# Altium PCB EDA-04211-V4_0_pcb.pcbdoc (part 11 of 12) (continued)
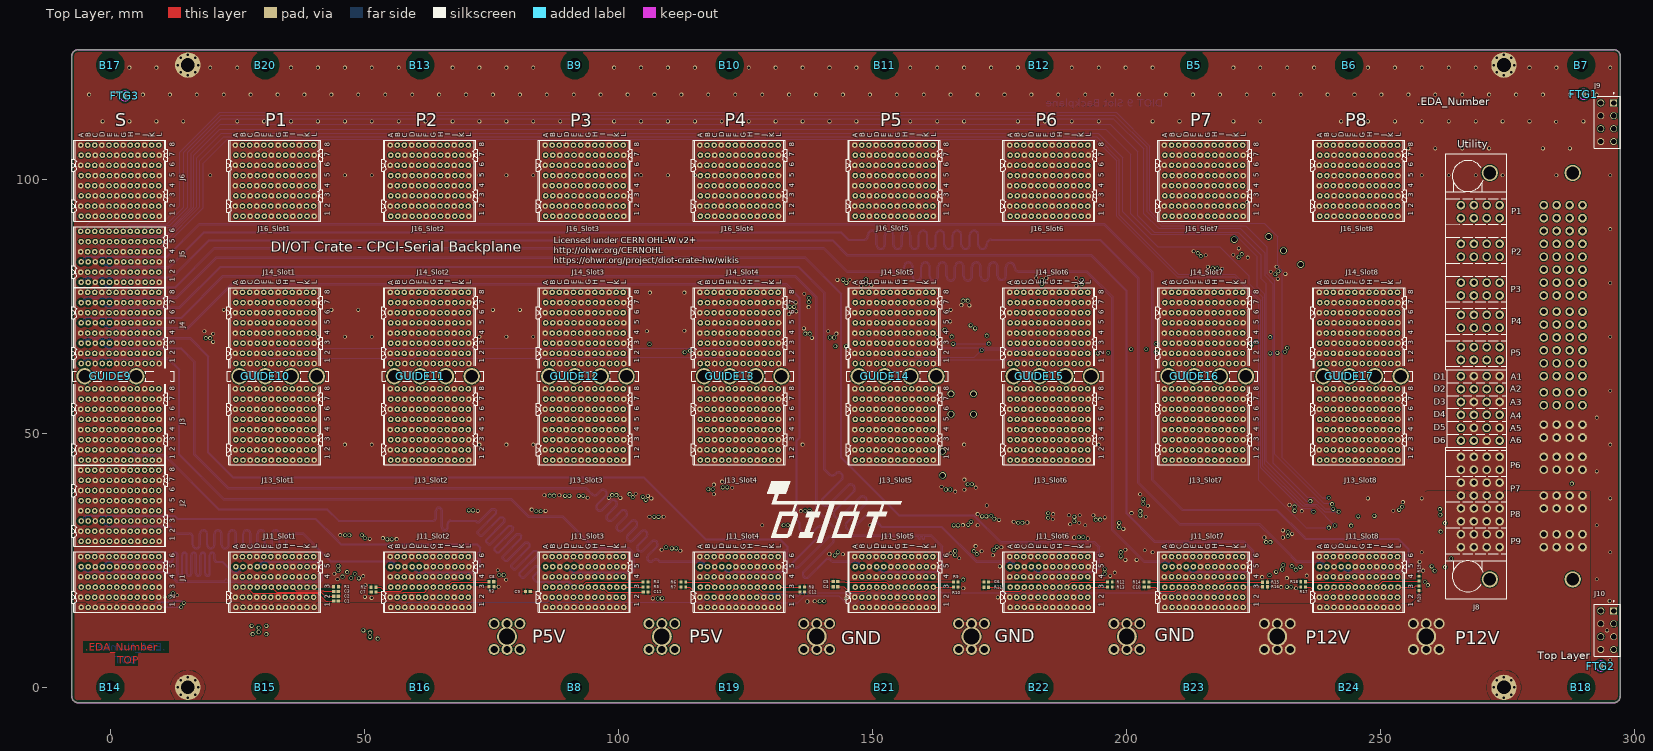
[diagram p0: Top Layer view]
## Nets (pads, with @x,y where several pads share a name; then routed paths per layer and width w, separated by ;. In a path a pad name is that pad's centre, name@x,y a point inside that pad or via, vN(x,y) a via of type N, cw(c..) or ccw(c..) an arc to the next point about the centre after c; other vN are vias at no path point) (continued)
"IO87_Peripheral Slot 4": J13_Slot4.L6 J23_Slot4.L6
"IO87_Peripheral Slot 5": J13_Slot5.L6 J23_Slot5.L6
"IO87_Peripheral Slot 6": J13_Slot6.L6 J23_Slot6.L6
"IO87_Peripheral Slot 7": J13_Slot7.L6 J23_Slot7.L6
"IO87_Peripheral Slot 8": J13_Slot8.L6 J23_Slot8.L6
"IO88_Peripheral Slot 1": J13_Slot1.A7 J23_Slot1.A7
"IO88_Peripheral Slot 2": J13_Slot2.A7 J23_Slot2.A7
"IO88_Peripheral Slot 3": J13_Slot3.A7 J23_Slot3.A7
"IO88_Peripheral Slot 4": J13_Slot4.A7 J23_Slot4.A7
"IO88_Peripheral Slot 5": J13_Slot5.A7 J23_Slot5.A7
"IO88_Peripheral Slot 6": J13_Slot6.A7 J23_Slot6.A7
"IO88_Peripheral Slot 7": J13_Slot7.A7 J23_Slot7.A7
"IO88_Peripheral Slot 8": J13_Slot8.A7 J23_Slot8.A7
"IO89_Peripheral Slot 1": J13_Slot1.B7 J23_Slot1.B7
"IO89_Peripheral Slot 2": J13_Slot2.B7 J23_Slot2.B7
"IO89_Peripheral Slot 3": J13_Slot3.B7 J23_Slot3.B7
"IO89_Peripheral Slot 4": J13_Slot4.B7 J23_Slot4.B7
"IO89_Peripheral Slot 5": J13_Slot5.B7 J23_Slot5.B7
"IO89_Peripheral Slot 6": J13_Slot6.B7 J23_Slot6.B7
"IO89_Peripheral Slot 7": J13_Slot7.B7 J23_Slot7.B7
"IO89_Peripheral Slot 8": J13_Slot8.B7 J23_Slot8.B7
"IO90_Peripheral Slot 1": J13_Slot1.D7 J23_Slot1.D7
"IO90_Peripheral Slot 2": J13_Slot2.D7 J23_Slot2.D7
"IO90_Peripheral Slot 3": J13_Slot3.D7 J23_Slot3.D7
"IO90_Peripheral Slot 4": J13_Slot4.D7 J23_Slot4.D7
"IO90_Peripheral Slot 5": J13_Slot5.D7 J23_Slot5.D7
"IO90_Peripheral Slot 6": J13_Slot6.D7 J23_Slot6.D7
"IO90_Peripheral Slot 7": J13_Slot7.D7 J23_Slot7.D7
"IO90_Peripheral Slot 8": J13_Slot8.D7 J23_Slot8.D7
"IO91_Peripheral Slot 1": J13_Slot1.E7 J23_Slot1.E7
"IO91_Peripheral Slot 2": J13_Slot2.E7 J23_Slot2.E7
"IO91_Peripheral Slot 3": J13_Slot3.E7 J23_Slot3.E7
"IO91_Peripheral Slot 4": J13_Slot4.E7 J23_Slot4.E7
"IO91_Peripheral Slot 5": J13_Slot5.E7 J23_Slot5.E7
"IO91_Peripheral Slot 6": J13_Slot6.E7 J23_Slot6.E7
"IO91_Peripheral Slot 7": J13_Slot7.E7 J23_Slot7.E7
"IO91_Peripheral Slot 8": J13_Slot8.E7 J23_Slot8.E7
"IO92_Peripheral Slot 1": J13_Slot1.G7 J23_Slot1.G7
"IO92_Peripheral Slot 2": J13_Slot2.G7 J23_Slot2.G7
"IO92_Peripheral Slot 3": J13_Slot3.G7 J23_Slot3.G7
"IO92_Peripheral Slot 4": J13_Slot4.G7 J23_Slot4.G7
"IO92_Peripheral Slot 5": J13_Slot5.G7 J23_Slot5.G7
"IO92_Peripheral Slot 6": J13_Slot6.G7 J23_Slot6.G7
"IO92_Peripheral Slot 7": J13_Slot7.G7 J23_Slot7.G7
"IO92_Peripheral Slot 8": J13_Slot8.G7 J23_Slot8.G7
"IO93_Peripheral Slot 1": J13_Slot1.H7 J23_Slot1.H7
"IO93_Peripheral Slot 2": J13_Slot2.H7 J23_Slot2.H7
"IO93_Peripheral Slot 3": J13_Slot3.H7 J23_Slot3.H7
"IO93_Peripheral Slot 4": J13_Slot4.H7 J23_Slot4.H7
"IO93_Peripheral Slot 5": J13_Slot5.H7 J23_Slot5.H7
"IO93_Peripheral Slot 6": J13_Slot6.H7 J23_Slot6.H7
"IO93_Peripheral Slot 7": J13_Slot7.H7 J23_Slot7.H7
"IO93_Peripheral Slot 8": J13_Slot8.H7 J23_Slot8.H7
"IO94_Peripheral Slot 1": J13_Slot1.J7 J23_Slot1.J7
"IO94_Peripheral Slot 2": J13_Slot2.J7 J23_Slot2.J7
"IO94_Peripheral Slot 3": J13_Slot3.J7 J23_Slot3.J7
"IO94_Peripheral Slot 4": J13_Slot4.J7 J23_Slot4.J7
"IO94_Peripheral Slot 5": J13_Slot5.J7 J23_Slot5.J7
"IO94_Peripheral Slot 6": J13_Slot6.J7 J23_Slot6.J7
"IO94_Peripheral Slot 7": J13_Slot7.J7 J23_Slot7.J7
"IO94_Peripheral Slot 8": J13_Slot8.J7 J23_Slot8.J7
"IO95_Peripheral Slot 1": J13_Slot1.K7 J23_Slot1.K7
"IO95_Peripheral Slot 2": J13_Slot2.K7 J23_Slot2.K7
"IO95_Peripheral Slot 3": J13_Slot3.K7 J23_Slot3.K7
"IO95_Peripheral Slot 4": J13_Slot4.K7 J23_Slot4.K7
"IO95_Peripheral Slot 5": J13_Slot5.K7 J23_Slot5.K7
"IO95_Peripheral Slot 6": J13_Slot6.K7 J23_Slot6.K7
"IO95_Peripheral Slot 7": J13_Slot7.K7 J23_Slot7.K7
"IO95_Peripheral Slot 8": J13_Slot8.K7 J23_Slot8.K7
"IO96_Peripheral Slot 1": J13_Slot1.B8 J23_Slot1.B8
"IO96_Peripheral Slot 2": J13_Slot2.B8 J23_Slot2.B8
"IO96_Peripheral Slot 3": J13_Slot3.B8 J23_Slot3.B8
"IO96_Peripheral Slot 4": J13_Slot4.B8 J23_Slot4.B8
"IO96_Peripheral Slot 5": J13_Slot5.B8 J23_Slot5.B8
"IO96_Peripheral Slot 6": J13_Slot6.B8 J23_Slot6.B8
"IO96_Peripheral Slot 7": J13_Slot7.B8 J23_Slot7.B8
"IO96_Peripheral Slot 8": J13_Slot8.B8 J23_Slot8.B8
"IO97_Peripheral Slot 1": J13_Slot1.C8 J23_Slot1.C8
"IO97_Peripheral Slot 2": J13_Slot2.C8 J23_Slot2.C8
"IO97_Peripheral Slot 3": J13_Slot3.C8 J23_Slot3.C8
"IO97_Peripheral Slot 4": J13_Slot4.C8 J23_Slot4.C8
"IO97_Peripheral Slot 5": J13_Slot5.C8 J23_Slot5.C8
"IO97_Peripheral Slot 6": J13_Slot6.C8 J23_Slot6.C8
"IO97_Peripheral Slot 7": J13_Slot7.C8 J23_Slot7.C8
"IO97_Peripheral Slot 8": J13_Slot8.C8 J23_Slot8.C8
"IO98_Peripheral Slot 1": J13_Slot1.E8 J23_Slot1.E8
"IO98_Peripheral Slot 2": J13_Slot2.E8 J23_Slot2.E8
"IO98_Peripheral Slot 3": J13_Slot3.E8 J23_Slot3.E8
"IO98_Peripheral Slot 4": J13_Slot4.E8 J23_Slot4.E8
"IO98_Peripheral Slot 5": J13_Slot5.E8 J23_Slot5.E8
"IO98_Peripheral Slot 6": J13_Slot6.E8 J23_Slot6.E8
"IO98_Peripheral Slot 7": J13_Slot7.E8 J23_Slot7.E8
"IO98_Peripheral Slot 8": J13_Slot8.E8 J23_Slot8.E8
"IO99_Peripheral Slot 1": J13_Slot1.F8 J23_Slot1.F8
"IO99_Peripheral Slot 2": J13_Slot2.F8 J23_Slot2.F8
"IO99_Peripheral Slot 3": J13_Slot3.F8 J23_Slot3.F8
"IO99_Peripheral Slot 4": J13_Slot4.F8 J23_Slot4.F8
"IO99_Peripheral Slot 5": J13_Slot5.F8 J23_Slot5.F8
"IO99_Peripheral Slot 6": J13_Slot6.F8 J23_Slot6.F8
"IO99_Peripheral Slot 7": J13_Slot7.F8 J23_Slot7.F8
"IO99_Peripheral Slot 8": J13_Slot8.F8 J23_Slot8.F8
"IO100_Peripheral Slot 1": J13_Slot1.H8 J23_Slot1.H8
"IO100_Peripheral Slot 2": J13_Slot2.H8 J23_Slot2.H8
"IO100_Peripheral Slot 3": J13_Slot3.H8 J23_Slot3.H8
"IO100_Peripheral Slot 4": J13_Slot4.H8 J23_Slot4.H8
"IO100_Peripheral Slot 5": J13_Slot5.H8 J23_Slot5.H8
"IO100_Peripheral Slot 6": J13_Slot6.H8 J23_Slot6.H8
"IO100_Peripheral Slot 7": J13_Slot7.H8 J23_Slot7.H8
"IO100_Peripheral Slot 8": J13_Slot8.H8 J23_Slot8.H8
"IO101_Peripheral Slot 1": J13_Slot1.I8 J23_Slot1.I8
"IO101_Peripheral Slot 2": J13_Slot2.I8 J23_Slot2.I8
"IO101_Peripheral Slot 3": J13_Slot3.I8 J23_Slot3.I8
"IO101_Peripheral Slot 4": J13_Slot4.I8 J23_Slot4.I8
"IO101_Peripheral Slot 5": J13_Slot5.I8 J23_Slot5.I8
"IO101_Peripheral Slot 6": J13_Slot6.I8 J23_Slot6.I8
"IO101_Peripheral Slot 7": J13_Slot7.I8 J23_Slot7.I8
"IO101_Peripheral Slot 8": J13_Slot8.I8 J23_Slot8.I8
"IO102_Peripheral Slot 1": J13_Slot1.K8 J23_Slot1.K8
"IO102_Peripheral Slot 2": J13_Slot2.K8 J23_Slot2.K8
"IO102_Peripheral Slot 3": J13_Slot3.K8 J23_Slot3.K8
"IO102_Peripheral Slot 4": J13_Slot4.K8 J23_Slot4.K8
"IO102_Peripheral Slot 5": J13_Slot5.K8 J23_Slot5.K8
"IO102_Peripheral Slot 6": J13_Slot6.K8 J23_Slot6.K8
"IO102_Peripheral Slot 7": J13_Slot7.K8 J23_Slot7.K8
"IO102_Peripheral Slot 8": J13_Slot8.K8 J23_Slot8.K8
"IO103_Peripheral Slot 1": J13_Slot1.L8 J23_Slot1.L8
"IO103_Peripheral Slot 2": J13_Slot2.L8 J23_Slot2.L8
"IO103_Peripheral Slot 3": J13_Slot3.L8 J23_Slot3.L8
"IO103_Peripheral Slot 4": J13_Slot4.L8 J23_Slot4.L8
"IO103_Peripheral Slot 5": J13_Slot5.L8 J23_Slot5.L8
"IO103_Peripheral Slot 6": J13_Slot6.L8 J23_Slot6.L8
"IO103_Peripheral Slot 7": J13_Slot7.L8 J23_Slot7.L8
"IO103_Peripheral Slot 8": J13_Slot8.L8 J23_Slot8.L8
M_SCL: J2.A7 J7.C1 J8.C2 J9.2 | length 455.1
  L8 w0.15: J8.C2@268.39,58.72 269.67,60 283.44,60 J7.C1@284.7,61.26 286.26,59.7 290.7,59.7 291.6,60.6 291.6,113.278 J9.2@293.382,115.06
  L12 w0.102: J2.A7@-5.78,40.75 -4.584,41.946 10.256,41.946 15.057,37.145 15.057,32.192 17.241,30.008 42.667,30.008 48.585,24.09 48.585,22.998 48.915,22.667 v1(48.915,21.448) ; v1(258.744,20.788) 263.528,20.788 267.089,24.349 275.452,24.349 277.479,26.376 277.479,55.724 275.813,57.389 269.567,57.389 J8.C2@268.236,58.72
  L6 w0.102: v1(48.915,21.448) 48.915,10.145 50.033,9.028 65.857,9.028 73.307,16.478 82.931,16.478 87.181,12.228 99.512,12.228 103.457,16.173 113.97,16.173 117.483,12.66 130.347,12.66 133.784,16.097 144.729,16.097 148.039,12.787 161.64,12.787 166.322,17.468 173.66,17.468 177.503,13.625 192.247,13.625 195.227,16.605 205.029,16.605 208.085,13.549 222.549,13.549 226.215,17.214 234.188,17.214 238.641,12.761 252.013,12.761 258.744,19.492 v1(258.744,20.788)
M_SDA: J2.B7 J7.B1 J8.B1 J9.1 | length 451.8
  L12 w0.102: J2.B7@-4.38,40.75 -3.438,41.692 10.104,41.692 14.676,37.12 14.676,31.964 17.089,29.551 42.566,29.551 48.102,24.015 v1(48.102,22.363) ; v1(259.354,20.127) 264.193,20.127 267.825,23.76 276.011,23.76 278.201,25.95 278.201,56.932 275.229,59.904 272.132,59.904 J8.B1@270.776,61.26 ; J8.B1@270.93,61.26 272.17,62.5 276.5,62.5 279.4,59.6 285.58,59.6 J7.B1@287.24,61.26 288.58,62.6 291.3,62.6 293.4,64.7 293.4,104.1 294.6,105.3 294.6,113.738 J9.1@295.922,115.06
  L6 w0.102: v1(48.102,22.363) 48.102,10.12 49.596,8.626 66.023,8.626 73.473,16.076 82.765,16.076 87.014,11.826 99.678,11.826 103.623,15.771 113.804,15.771 117.317,12.258 130.514,12.258 133.951,15.695 144.563,15.695 147.873,12.385 161.807,12.385 166.488,17.066 173.494,17.066 177.337,13.223 192.414,13.223 195.393,16.203 204.863,16.203 207.918,13.147 222.716,13.147 226.381,16.812 234.022,16.812 238.475,12.359 252.18,12.359 259.354,19.533 v1(259.354,20.127)
P5V: BUSH5.1 BUSH6.1 J1.B1 J7.P5 J8.P5 J10.1 J11_Slot1.B1 J11_Slot2.B1 J11_Slot3.B1 J11_Slot4.B1 J11_Slot5.B1 J11_Slot6.B1 J11_Slot7.B1 J11_Slot8.B1
P12V: BUSH1.1 BUSH3.1 J1.A1 J1.D1 J1.E1 J1.G1 J1.H1 J1.J1 J1.K1 J7.P1 J7.P2 J8.P8 J8.P9 J9.3 J9.7 J10.3 J10.6 J10.7 J11_Slot1.A1 J11_Slot1.D1 J11_Slot1.E1 J11_Slot1.G1 J11_Slot1.H1 J11_Slot1.J1 J11_Slot1.K1 J11_Slot2.A1 J11_Slot2.D1 J11_Slot2.E1 J11_Slot2.G1 J11_Slot2.H1 J11_Slot2.J1 J11_Slot2.K1 J11_Slot3.A1 J11_Slot3.D1 J11_Slot3.E1 J11_Slot3.G1 J11_Slot3.H1 J11_Slot3.J1 J11_Slot3.K1 J11_Slot4.A1 J11_Slot4.D1 J11_Slot4.E1 J11_Slot4.G1 J11_Slot4.H1 J11_Slot4.J1 J11_Slot4.K1 J11_Slot5.A1 J11_Slot5.D1 J11_Slot5.E1 J11_Slot5.G1 J11_Slot5.H1 J11_Slot5.J1 J11_Slot5.K1 J11_Slot6.A1 J11_Slot6.D1 J11_Slot6.E1 J11_Slot6.G1 J11_Slot6.H1 J11_Slot6.J1 J11_Slot6.K1 J11_Slot7.A1 J11_Slot7.D1 J11_Slot7.E1 J11_Slot7.G1 J11_Slot7.H1 J11_Slot7.J1 J11_Slot7.K1 J11_Slot8.A1 J11_Slot8.D1 J11_Slot8.E1 J11_Slot8.G1 J11_Slot8.H1 J11_Slot8.J1 J11_Slot8.K1 NT1.2 | length 4.6
  Bottom Layer w0.3: J1.K1@8.22,15.75 8.22,15.805 9.189,16.775 11.323,16.775 11.552,17.003 12.249,17.003
P12V_Sense: J8.D2 NT1.1 | length 348.7
  L10 w0.3: v1(14.447,16.622) 16.969,14.1 50.62,14.1 56.37,8.35 64.17,8.35 69.77,2.75 83.52,2.75 88.369,7.599 97.871,7.599 103.22,2.25 113.77,2.25 118.369,6.849 128.371,6.849 132.37,2.85 144.12,2.85 148.869,7.599 159.871,7.599 164.97,2.5 175.27,2.5 180.369,7.599 188.77,7.599 193.27,3.099 206.119,3.099 210.619,7.599 218.871,7.599 223.72,2.75 236.27,2.75 241.619,8.099 249.371,8.099 252.459,5.011 261.863,5.011 275.82,18.967 275.82,58.702 274.526,59.995 267.125,59.995 J8.D2@265.85,58.72
  Bottom Layer w0.3: 12.764,17 14.069,17 v1(14.447,16.622)
P_IO0: J2.C8 J8.C4 | length 292.7
  L2 w0.102: v1(245.62,33.65) 246.12,33.15 257.22,33.15 264.52,40.45 264.52,51.75 265.02,52.25 267,52.25 J8.C4@268.39,53.64
  L6 w0.102: J2.C8@-3.08,42.75 -2.173,43.657 16.863,43.657 20.52,40 113.92,40 117.51,36.41 145.26,36.41 146.766,34.904 174.196,34.904 174.95,34.15 182.92,34.15 183.802,35.032 198.538,35.032 200.735,32.835 201.046,32.835 201.086,32.796 214.157,32.796 214.197,32.835 219.68,32.835 220.395,33.55 245.52,33.55 v1(245.62,33.65)
P_IO1: J2.D7 J8.C6 | length 346.9
  L10 w0.102: v1(261.843,30.668) 261.843,32.823 263.637,34.617 263.637,48.11 265.297,49.77 267.18,49.77 J8.C6@268.39,48.56
  L12 w0.102: J2.D7@-1.58,40.75 -1.22,40.75 -0.013,39.543 10.043,39.543 13.152,36.434 13.152,31.253 16.403,28.001 41.744,28.001 45.689,24.056 v1(45.689,21.804)
  L6 w0.102: v1(45.689,21.804) 45.689,9.993 48.262,7.42 66.523,7.42 73.973,14.87 82.265,14.87 86.515,10.62 100.178,10.62 104.123,14.565 113.304,14.565 116.817,11.052 131.013,11.052 134.45,14.489 144.063,14.489 147.373,11.179 162.306,11.179 166.988,15.86 172.994,15.86 176.837,12.017 192.913,12.017 195.893,14.997 204.363,14.997 207.419,11.941 223.215,11.941 226.881,15.606 233.522,15.606 237.975,11.153 252.679,11.153 261.843,20.317 v1(261.843,30.668)
P_IO2: J2.E7 J8.B4 | length 352.3
  L10 w0.102: v1(260.675,22.947) 261.02,23.292 261.02,50.967 264.908,54.855 269.715,54.855 J8.B4@270.93,53.64
  L12 w0.102: J2.E7@-0.18,40.75 0.76,39.81 10.284,39.81 13.558,36.536 13.558,31.557 16.53,28.586 41.909,28.586 46.578,23.917 v1(46.578,22.693)
  L6 w0.102: v1(46.578,22.693) 46.578,10.247 49.003,7.822 66.356,7.822 73.806,15.272 82.432,15.272 86.681,11.022 100.011,11.022 103.956,14.967 113.471,14.967 116.984,11.454 130.847,11.454 134.284,14.891 144.23,14.891 147.54,11.581 162.14,11.581 166.821,16.262 173.161,16.262 177.004,12.419 192.747,12.419 195.726,15.399 204.53,15.399 207.585,12.343 223.049,12.343 226.714,16.008 233.689,16.008 238.142,11.555 252.513,11.555 260.675,19.717 v1(260.675,22.947)
P_PRES1: J2.G7 J8.D5 | length 285.7
  L10 w0.102: v1(261.818,33.97) 262.895,35.048 262.895,48.145 J8.D5@265.85,51.1
  L6 w0.102: J2.G7@2.62,40.75 3.766,41.896 15.749,41.896 18.245,39.4 112.283,39.4 113.908,37.775 113.983,37.701 114.057,37.626 115.831,35.852 144.318,35.852 146.67,33.5 170.558,33.5 171.708,32.35 176.65,32.35 177.45,33.15 182.85,33.15 183.8,32.2 186.1,32.2 188.3,34.4 197.77,34.4 200.02,32.15 221.035,32.15 221.635,32.75 260.597,32.75 v1(261.818,33.97)
P_PRES2: J2.H7 J8.D6 | length 283.9
  L10 w0.102: v1(262.732,32.345) 264.167,33.779 264.167,46.877 J8.D6@265.85,48.56
  L6 w0.102: J2.H7@4.02,40.75 4.927,41.657 15.088,41.657 17.645,39.1 110.37,39.1 113.92,35.55 143.52,35.55 146.42,32.65 168.12,32.65 168.67,33.2 170.475,33.2 171.925,31.75 188.15,31.75 188.337,31.563 190.763,31.563 191.85,32.65 193.17,32.65 193.77,32.05 196.32,32.05 197.82,30.55 215.32,30.55 216.37,31.6 232.27,31.6 232.942,30.928 241.498,30.928 242.948,32.378 253.246,32.378 253.279,32.345 v1(262.732,32.345)
P_RST: J2.B8 J8.B5 | length 298.7
  L10 w0.102: v1(261.716,35.088) 262.32,35.692 262.32,49.724 264.961,52.366 269.664,52.366 J8.B5@270.93,51.1
  L6 w0.102: J2.B8@-4.48,42.75 -3.369,43.861 19.365,43.861 22.926,40.3 114.645,40.3 118.289,36.656 145.72,36.656 147.247,35.129 174.671,35.129 175.25,34.55 182.72,34.55 183.494,35.324 198.846,35.324 201.17,33 214.073,33 215.125,34.052 241.533,34.052 241.537,34.048 242.518,34.048 243.22,34.75 251.42,34.75 252.52,33.65 260.278,33.65 v1(261.716,35.088)
PRST_N: J1.H2 J8.A6 | length 325.2
  L10 w0.102: v1(262.732,23.683) 262.732,30.751 264.538,32.557 264.538,46.009 265.649,47.12 272.03,47.12 J8.A6@273.47,48.56
  L12 w0.102: J1.H2@3.92,17.75 4.646,17.024 11.023,17.024 14.12,13.927 60.726,13.927 72.89,1.763 84.551,1.763 88.539,5.751 99.881,5.751 102.855,2.776 116.375,2.776 119.146,5.548 125.979,5.548 128.849,2.678 145.359,2.678 148.432,5.751 155.646,5.751 158.77,2.627 176.55,2.627 179.7,5.776 192.067,5.776 195.584,2.259 202.687,2.259 207.598,7.171 218.079,7.171 222.702,2.548 234.487,2.548 245.663,13.724 252.773,13.724 255.696,16.648 255.696,20.28 257.683,22.267 257.683,23.245 259.011,24.572 261.843,24.572 v1(262.732,23.683)
PS_ON_N: J1.E2 J8.D3 | length 351.8
  L12 w0.102: J1.E2@-0.28,17.75 0.698,16.772 10.615,16.772 13.844,13.542 60.603,13.542 72.864,1.281 84.805,1.281 88.869,5.345 99.601,5.345 102.534,2.412 116.67,2.412 119.476,5.218 125.598,5.218 128.722,2.093 145.41,2.093 148.712,5.395 155.417,5.395 158.668,2.144 176.702,2.144 179.954,5.395 191.914,5.395 195.558,1.751 203.169,1.751 208.081,6.663 218.003,6.663 222.499,2.167 234.64,2.167 245.841,13.368 253.484,13.368 256.154,16.038 256.154,19.975 258.516,22.337 262.453,22.337 263.941,23.826 v1(263.941,25.364)
  L6 w0.102: v1(263.941,25.364) 273.634,25.364 276.52,28.25 276.52,55.75 274.858,57.412 267.082,57.412 J8.D3@265.85,56.18
PWRBTN_N: J1.C3 J8.A4 | length 355.6
  L12 w0.102: J1.C3@-2.98,19.75 -3.825,18.905 -6.33,18.905 -6.863,18.372 -6.863,14.994 -4.591,12.722 60.22,12.722 72.601,0.341 85.339,0.341 89.479,4.481 98.941,4.481 101.899,1.523 116.924,1.523 119.933,4.532 124.988,4.532 128.315,1.204 145.943,1.204 149.22,4.481 154.935,4.481 158.389,1.027 177.083,1.027 180.639,4.583 191.626,4.583 195.223,0.986 203.928,0.986 208.614,5.672 217.901,5.672 222.143,1.43 234.995,1.43 246.324,12.759 254.22,12.759 257.119,15.657 257.119,20.127 258.414,21.423 263.241,21.423 266.811,24.993 275.34,24.993 276.724,26.377 276.724,53.047 276.124,53.647 273.477,53.647 J8.A4@273.47,53.64
PWRFAIL_N: J1.F3 J8.D4 | length 363
  L12 w0.102: J1.F3@1.22,19.75 0.071,18.601 -6.305,18.601 -6.659,18.246 -6.659,17.152 -6.025,16.518 10.31,16.518 13.711,13.116 60.419,13.116 72.737,0.798 85.034,0.798 89.225,4.989 99.246,4.989 102.255,1.98 116.848,1.98 119.756,4.887 125.267,4.887 128.544,1.611 145.638,1.611 148.966,4.938 155.239,4.938 158.567,1.611 176.829,1.611 180.182,4.964 191.803,4.964 195.4,1.367 203.623,1.367 208.385,6.129 217.977,6.129 222.346,1.76 234.818,1.76 246.095,13.038 253.662,13.038 256.712,16.089 256.712,20.102 258.414,21.804 262.726,21.804 266.571,25.649 275.163,25.649 275.858,26.344 275.858,51.985 275.458,52.385 266.776,52.385 266.716,52.445 266.716,52.456 265.696,53.476 J8.D4@265.696,53.64
RST#: J1.F2 J11_Slot1.H2 J11_Slot2.H2 J11_Slot3.H2 J11_Slot4.H2 J11_Slot5.H2 J11_Slot6.H2 J11_Slot7.H2 J11_Slot8.H2 | length 258.4
  L2 w0.102: J11_Slot2.H2@64.88,17.75 65.731,18.601 68.821,18.601 69.095,18.875 84.196,18.875 84.396,18.675 94.435,18.675 J11_Slot3.H2@95.36,17.75
  L4 w0.102: J11_Slot3.H2@95.36,17.75 96.119,18.509 101.686,18.509 103.271,16.924 125.014,16.924 J11_Slot4.H2@125.84,17.75 ; J11_Slot5.H2@156.32,17.75 157.298,16.772 185.822,16.772 J11_Slot6.H2@186.8,17.75 187.778,16.772 216.302,16.772 J11_Slot7.H2@217.28,17.75 218.18,16.85 246.86,16.85 J11_Slot8.H2@247.76,17.75
  L10 w0.102: J11_Slot4.H2@125.84,17.75 126.844,16.746 132.377,16.746 135.3,19.67 143.43,19.67 146.4,16.7 155.27,16.7 J11_Slot5.H2@156.32,17.75
  L12 w0.102: J1.F2@1.12,17.75 2.25,18.88 10.37,18.88 11.132,19.643 15.127,19.643 17.795,16.975 33.625,16.975 J11_Slot1.H2@34.4,17.75 35.53,18.88 40.914,18.88 42.895,16.899 64.029,16.899 J11_Slot2.H2@64.88,17.75
RTM_SHARED_BUS0: J7.A1 J14_Slot1.B2 J14_Slot2.B2 J14_Slot3.B2 J14_Slot4.B2 J14_Slot5.B2 J14_Slot6.B2 J14_Slot7.B2 J14_Slot8.B2 J24_Slot1.B2 J24_Slot2.B2 J24_Slot3.B2 J24_Slot4.B2 J24_Slot5.B2 J24_Slot6.B2 J24_Slot7.B2 J24_Slot8.B2 | length 459.1
  L2 w0.15: J14_Slot1.B2@26,65.75 26.9,66.65 55.58,66.65 J14_Slot2.B2@56.48,65.75 57.207,66.477 86.233,66.477 J14_Slot3.B2@86.96,65.75 88.012,66.802 101.62,66.802 102.958,68.14 113.93,68.14 115.268,66.802 116.388,66.802 J14_Slot4.B2@117.44,65.75 118.167,66.477 131.741,66.477 131.82,66.398 143.049,66.398 143.128,66.477 147.193,66.477 J14_Slot5.B2@147.92,65.75 149.147,66.977 162.863,66.977 164.22,68.334 v1(164.22,70.35)
  L4 w0.15: v1(194.388,65.733) 194.923,65.198 206.149,65.198 206.664,65.713 206.664,65.962 207.179,66.477 208.153,66.477 J14_Slot7.B2@208.88,65.75 ; v1(224.583,67.4) 224.598,67.386 226.288,67.386 226.436,67.238 227.965,67.238 228.277,67.55 231.701,67.55 232.774,66.477 238.633,66.477 J14_Slot8.B2@239.36,65.75
  L10 w0.15: J14_Slot6.B2@178.4,65.75 179.303,66.653 193.469,66.653 v1(194.388,65.733) ; J14_Slot7.B2@208.88,65.75 210.03,66.9 224.041,66.9 224.541,67.4 v1(224.583,67.4)
  L12 w0.15: J14_Slot5.B2@147.92,65.75 149.039,64.631 177.281,64.631 J14_Slot6.B2@178.4,65.75
  L6 w0.15: v1(164.22,70.35) 164.22,72.25 164.22,105.55 169.52,110.85 173.42,114.75 284.15,114.75 293.52,105.38 293.52,65 J7.A1@289.78,61.26
RTM_SHARED_BUS1: J7.A2 J14_Slot1.C2 J14_Slot2.C2 J14_Slot3.C2 J14_Slot4.C2 J14_Slot5.C2 J14_Slot6.C2 J14_Slot7.C2 J14_Slot8.C2 J24_Slot1.C2 J24_Slot2.C2 J24_Slot3.C2 J24_Slot4.C2 J24_Slot5.C2 J24_Slot6.C2 J24_Slot7.C2 J24_Slot8.C2 | length 453.5
  L2 w0.15: J14_Slot6.C2@179.8,65.75 180.9,64.65 195.212,64.65 v1(196.433,65.871)
  L4 w0.15: v1(225.508,67.938) 229.757,67.938 230.17,68.35 234.671,68.35 236.292,66.729 239.781,66.729 J14_Slot8.C2@240.76,65.75
  L10 w0.15: J14_Slot7.C2@210.28,65.75 211.017,66.487 224.857,66.487 225.508,67.138 v1(225.508,67.938)
  L12 w0.15: J14_Slot5.C2@149.32,65.75 150.047,65.023 174.493,65.023 175.947,66.477 179.073,66.477 J14_Slot6.C2@179.8,65.75 ; v1(196.433,65.871) 199.099,65.871 199.52,65.45 206.152,65.45 207.179,66.477 209.553,66.477 J14_Slot7.C2@210.28,65.75
  L6 w0.15: J14_Slot1.C2@27.4,65.75 28.127,66.477 57.153,66.477 J14_Slot2.C2@57.88,65.75 58.607,66.477 87.633,66.477 J14_Slot3.C2@88.36,65.75 89.56,66.95 117.64,66.95 J14_Slot4.C2@118.84,65.75 120.092,67.002 134.072,67.002 135.254,68.184 145.086,68.184 146.62,66.65 148.42,66.65 J14_Slot5.C2@149.32,65.75 150.12,66.55 161.92,66.55 166.32,70.95 166.32,105.75 174.42,113.85 284.15,113.85 293.02,104.98 293.02,67.04 J7.A2@289.78,63.8
RTM_SHARED_BUS2: J7.A3 J14_Slot1.E2 J14_Slot2.E2 J14_Slot3.E2 J14_Slot4.E2 J14_Slot5.E2 J14_Slot6.E2 J14_Slot7.E2 J14_Slot8.E2 J24_Slot1.E2 J24_Slot2.E2 J24_Slot3.E2 J24_Slot4.E2 J24_Slot5.E2 J24_Slot6.E2 J24_Slot7.E2 J24_Slot8.E2 | length 430.5
  L10 w0.15: v1(144.808,67.111) 145.442,66.477 151.393,66.477 J14_Slot5.E2@152.12,65.75 ; v1(231.62,66.85) 234.32,66.85 234.693,66.477 242.833,66.477 J14_Slot8.E2@243.56,65.75
  L12 w0.15: J14_Slot5.E2@152.12,65.75 153.12,66.75 163.32,66.75 v1(165.62,69.05) 170.755,69.05 173.076,66.729 181.621,66.729 J14_Slot6.E2@182.6,65.75 182.782,65.568 183.156,65.568 183.273,65.451 183.273,65.449 183.699,65.023 212.353,65.023 J14_Slot7.E2@213.08,65.75 214.18,64.65 225.02,64.65 227.22,66.85 v1(231.62,66.85)
  L6 w0.15: J14_Slot4.E2@121.64,65.75 122.619,66.729 135.499,66.729 136.572,67.802 144.268,67.802 144.808,67.262 v1(144.808,67.111) ; v1(165.62,69.05) 166.968,70.398 166.968,89.198 167.42,89.65 167.42,104.85 175.62,113.05 284.05,113.05 292.52,104.58 292.52,69.08 J7.A3@289.78,66.34
  Bottom Layer w0.15: J14_Slot1.E2@30.2,65.75 31.2,64.75 59.68,64.75 J14_Slot2.E2@60.68,65.75 61.68,64.75 90.16,64.75 J14_Slot3.E2@91.16,65.75 91.887,65.023 120.913,65.023 J14_Slot4.E2@121.64,65.75
RTM_SHARED_BUS3: J7.A4 J14_Slot1.F2 J14_Slot2.F2 J14_Slot3.F2 J14_Slot4.F2 J14_Slot5.F2 J14_Slot6.F2 J14_Slot7.F2 J14_Slot8.F2 J24_Slot1.F2 J24_Slot2.F2 J24_Slot3.F2 J24_Slot4.F2 J24_Slot5.F2 J24_Slot6.F2 J24_Slot7.F2 J24_Slot8.F2 | length 439.2
  L2 w0.15: J14_Slot5.F2@153.52,65.75 154.426,66.656 163.624,66.656 165.265,68.298 166.368,68.298 v1(169.32,71.25) ; v1(205.92,66.05) 206.347,66.477 213.753,66.477 J14_Slot7.F2@214.48,65.75
  L10 w0.15: v1(142.72,67.15) 143.233,67.663 145.107,67.663 146.02,66.75 152.52,66.75 J14_Slot5.F2@153.52,65.75 ; v1(228.32,68.95) 233.72,68.95 235.82,66.85 243.86,66.85 J14_Slot8.F2@244.96,65.75
  L12 w0.15: J14_Slot6.F2@184,65.75 184.852,66.602 199.268,66.602 200.12,65.75 204.719,65.75 205.019,66.05 v1(205.92,66.05) ; J14_Slot7.F2@214.48,65.75 215.207,65.023 224.393,65.023 v1(228.32,68.95)
  L6 w0.15: J14_Slot4.F2@123.04,65.75 123.767,66.477 140.247,66.477 140.92,67.15 v1(142.72,67.15) ; v1(169.32,71.25) 169.7,71.63 169.7,105.43 176.52,112.25 282.35,112.25 291.92,102.68 291.92,71.02 J7.A4@289.78,68.88
  Bottom Layer w0.15: J14_Slot1.F2@31.6,65.75 32.6,66.75 61.08,66.75 J14_Slot2.F2@62.08,65.75 63.08,66.75 91.56,66.75 J14_Slot3.F2@92.56,65.75 93.612,66.802 121.988,66.802 J14_Slot4.F2@123.04,65.75 ; J14_Slot5.F2@153.52,65.75 154.751,64.519 182.769,64.519 J14_Slot6.F2@184,65.75
RTM_SHARED_BUS4: J7.D1 J14_Slot1.H2 J14_Slot2.H2 J14_Slot3.H2 J14_Slot4.H2 J14_Slot5.H2 J14_Slot6.H2 J14_Slot7.H2 J14_Slot8.H2 J24_Slot1.H2 J24_Slot2.H2 J24_Slot3.H2 J24_Slot4.H2 J24_Slot5.H2 J24_Slot6.H2 J24_Slot7.H2 J24_Slot8.H2 | length 412.2
  L4 w0.15: J14_Slot1.H2@34.4,65.75 35.127,66.477 64.153,66.477 J14_Slot2.H2@64.88,65.75 65.607,66.477 94.633,66.477 J14_Slot3.H2@95.36,65.75 96.412,66.802 124.788,66.802 J14_Slot4.H2@125.84,65.75 126.567,66.477 134.897,66.477 134.976,66.398 145.116,66.398 145.195,66.477 155.593,66.477 J14_Slot5.H2@156.32,65.75 157.32,66.75 169.72,66.75 171.893,68.923 172.03,68.923 172.358,69.25 v1(172.52,69.25) 172.546,69.276 174.494,69.276 177.02,66.75 185.8,66.75 J14_Slot6.H2@186.8,65.75 188.073,67.023 193.393,67.023 194.72,68.35 206.001,68.35 206.661,67.69 206.661,67.641 207.321,66.981 216.049,66.981 J14_Slot7.H2@217.28,65.75 218.553,67.023 223.353,67.023 226.332,70.002 234.168,70.002 237.171,66.999 246.511,66.999 J14_Slot8.H2@247.76,65.75
  L6 w0.15: v1(172.52,69.25) 172.62,69.35 172.62,103.95 176.72,108.05 229.42,108.05 273.113,108.05 279.02,102.143 279.02,64.4 J7.D1@282.16,61.26
RTM_SHARED_BUS5: J7.D2 J14_Slot1.I2 J14_Slot2.I2 J14_Slot3.I2 J14_Slot4.I2 J14_Slot5.I2 J14_Slot6.I2 J14_Slot7.I2 J14_Slot8.I2 J24_Slot1.I2 J24_Slot2.I2 J24_Slot3.I2 J24_Slot4.I2 J24_Slot5.I2 J24_Slot6.I2 J24_Slot7.I2 J24_Slot8.I2 | length 412
  L4 w0.15: J14_Slot6.I2@188.2,65.75 189.221,66.771 193.741,66.771 194.22,67.25 203.22,67.25 v1(203.92,66.55) ; J14_Slot7.I2@218.68,65.75 219.609,66.679 230.591,66.679 v1(231.22,66.05)
  L10 w0.15: v1(114.12,66.25) 114.282,66.25 114.782,66.75 126.24,66.75 J14_Slot4.I2@127.24,65.75 128.359,66.869 131.985,66.869 133.167,68.05 145.12,68.05 146.147,67.023 156.447,67.023 J14_Slot5.I2@157.72,65.75 ; v1(231.22,66.05) 235.72,66.05 236.747,65.023 248.433,65.023 J14_Slot8.I2@249.16,65.75
  L12 w0.15: J14_Slot1.I2@35.8,65.75 36.8,66.75 65.28,66.75 J14_Slot2.I2@66.28,65.75 67.28,66.75 95.76,66.75 J14_Slot3.I2@96.76,65.75 ; v1(203.92,66.55) 204.082,66.55 204.282,66.75 217.68,66.75 J14_Slot7.I2@218.68,65.75
  L6 w0.15: J14_Slot3.I2@96.76,65.75 97.66,66.65 113.671,66.65 114.071,66.25 v1(114.12,66.25) ; v1(171.52,66.35) 171.52,69.25 171.82,69.55 171.82,104.357 176.313,108.85 273.02,108.85 279.52,102.35 279.52,66.44 J7.D2@282.16,63.8
  Bottom Layer w0.15: J14_Slot5.I2@157.72,65.75 158.447,65.023 170.093,65.023 v1@171.47,66.4 ; v1@171.546,66.476 176.698,66.476 187.473,66.477 J14_Slot6.I2@188.2,65.75

## Text inside footprints (layer, text, board x,y; h text height)
J1: Drill Drawing "PRESS-FIT TECHNOLOGY" at -6.545,17.002 h1; Drill Drawing "Diam. 0.5mm +/-0.05" at -6.545,15.502 h1; Top Overlay "6" at 12.67,25.481 h1 r90; Top Overlay "5" at 12.67,23.433 h1 r90; Top Overlay "4" at 12.67,21.386 h1 r90; Top Overlay "3" at 12.67,19.433 h1 r90; Top Overlay "2" at 12.67,17.433 h1 r90; Top Overlay "1" at 12.67,15.862 h1 r90; Mechanical 14 "L" at 9.12,27.95 h1 r270; Mechanical 14 "6" at 11.67,26.1 h1 r270; Mechanical 14 "K" at 7.72,27.95 h1 r270; Mechanical 14 "J" at 6.32,27.95 h1 r270; Mechanical 14 "5" at 11.67,24.1 h1 r270; Mechanical 14 "4" at 11.67,22.1 h1 r270; Mechanical 14 "I" at 4.92,27.7 h1 r270; Mechanical 14 "H" at 3.52,27.95 h1 r270; Mechanical 14 "G" at 2.12,27.95 h1 r270; Mechanical 14 "3" at 11.67,20.1 h1 r270; Mechanical 14 "2" at 11.67,18.1 h1 r270; Mechanical 14 "1" at 11.67,16.1 h1 r270; Mechanical 14 "F" at 0.72,27.95 h1 r270; Mechanical 14 "E" at -0.68,27.95 h1 r270; Mechanical 14 "D" at -2.08,27.95 h1 r270; Mechanical 14 "C" at -3.48,27.95 h1 r270; Mechanical 14 "B" at -4.88,27.95 h1 r270; Mechanical 14 "A" at -6.28,27.95 h1 r270
J2: Drill Drawing "PRESS-FIT TECHNOLOGY" at -6.645,30.002 h1; Drill Drawing "Diam. 0.5mm +/-0.05" at -6.645,28.502 h1; Top Overlay "8" at 12.67,42.433 h1 r90; Top Overlay "7" at 12.67,40.433 h1 r90; Top Overlay "6" at 12.67,38.481 h1 r90; Top Overlay "5" at 12.67,36.433 h1 r90; Top Overlay "4" at 12.67,34.386 h1 r90; Top Overlay "3" at 12.67,32.433 h1 r90; Top Overlay "2" at 12.67,30.433 h1 r90; Top Overlay "1" at 12.67,28.862 h1 r90; Mechanical 14 "8" at 11.67,43.1 h1 r270; Mechanical 14 "L" at 9.12,44.95 h1 r270; Mechanical 14 "7" at 11.67,41.1 h1 r270; Mechanical 14 "K" at 7.72,44.95 h1 r270; Mechanical 14 "J" at 6.32,44.95 h1 r270; Mechanical 14 "6" at 11.67,39.1 h1 r270; Mechanical 14 "5" at 11.67,37.1 h1 r270; Mechanical 14 "I" at 4.92,44.7 h1 r270; Mechanical 14 "H" at 3.52,44.95 h1 r270; Mechanical 14 "G" at 2.12,44.95 h1 r270; Mechanical 14 "4" at 11.67,35.1 h1 r270; Mechanical 14 "3" at 11.67,33.1 h1 r270; Mechanical 14 "2" at 11.67,31.1 h1 r270; Mechanical 14 "1" at 11.67,29.1 h1 r270; Mechanical 14 "F" at 0.72,44.95 h1 r270; Mechanical 14 "E" at -0.68,44.95 h1 r270; Mechanical 14 "D" at -2.08,44.95 h1 r270; Mechanical 14 "C" at -3.48,44.95 h1 r270; Mechanical 14 "B" at -4.88,44.95 h1 r270; Mechanical 14 "A" at -6.28,44.95 h1 r270
J3: Drill Drawing "PRESS-FIT TECHNOLOGY" at -6.645,46.002 h1; Drill Drawing "Diam. 0.5mm +/-0.05" at -6.645,44.502 h1; Top Overlay "8" at 12.67,58.433 h1 r90; Top Overlay "7" at 12.67,56.433 h1 r90; Top Overlay "6" at 12.67,54.481 h1 r90; Top Overlay "5" at 12.67,52.433 h1 r90; Top Overlay "4" at 12.67,50.386 h1 r90; Top Overlay "3" at 12.67,48.433 h1 r90; Top Overlay "2" at 12.67,46.433 h1 r90; Top Overlay "1" at 12.67,44.862 h1 r90; Mechanical 14 "8" at 11.67,59.1 h1 r270; Mechanical 14 "L" at 9.12,60.95 h1 r270; Mechanical 14 "7" at 11.67,57.1 h1 r270; Mechanical 14 "K" at 7.72,60.95 h1 r270; Mechanical 14 "J" at 6.32,60.95 h1 r270; Mechanical 14 "6" at 11.67,55.1 h1 r270; Mechanical 14 "5" at 11.67,53.1 h1 r270; Mechanical 14 "I" at 4.92,60.7 h1 r270; Mechanical 14 "H" at 3.52,60.95 h1 r270; Mechanical 14 "G" at 2.12,60.95 h1 r270; Mechanical 14 "4" at 11.67,51.1 h1 r270; Mechanical 14 "3" at 11.67,49.1 h1 r270; Mechanical 14 "2" at 11.67,47.1 h1 r270; Mechanical 14 "1" at 11.67,45.1 h1 r270; Mechanical 14 "F" at 0.72,60.95 h1 r270; Mechanical 14 "E" at -0.68,60.95 h1 r270; Mechanical 14 "D" at -2.08,60.95 h1 r270; Mechanical 14 "C" at -3.48,60.95 h1 r270; Mechanical 14 "B" at -4.88,60.95 h1 r270; Mechanical 14 "A" at -6.28,60.95 h1 r270
J4: Drill Drawing "PRESS-FIT TECHNOLOGY" at -6.645,65.002 h1; Drill Drawing "Diam. 0.5mm +/-0.05" at -6.645,63.502 h1; Top Overlay "8" at 12.67,77.433 h1 r90; Top Overlay "7" at 12.67,75.433 h1 r90; Top Overlay "6" at 12.67,73.481 h1 r90; Top Overlay "5" at 12.67,71.433 h1 r90; Top Overlay "4" at 12.67,69.386 h1 r90; Top Overlay "3" at 12.67,67.433 h1 r90; Top Overlay "2" at 12.67,65.433 h1 r90; Top Overlay "1" at 12.67,63.862 h1 r90; Mechanical 14 "8" at 11.67,78.1 h1 r270; Mechanical 14 "L" at 9.12,79.95 h1 r270; Mechanical 14 "7" at 11.67,76.1 h1 r270; Mechanical 14 "K" at 7.72,79.95 h1 r270; Mechanical 14 "J" at 6.32,79.95 h1 r270; Mechanical 14 "6" at 11.67,74.1 h1 r270; Mechanical 14 "5" at 11.67,72.1 h1 r270; Mechanical 14 "I" at 4.92,79.7 h1 r270; Mechanical 14 "H" at 3.52,79.95 h1 r270; Mechanical 14 "G" at 2.12,79.95 h1 r270; Mechanical 14 "4" at 11.67,70.1 h1 r270; Mechanical 14 "3" at 11.67,68.1 h1 r270; Mechanical 14 "2" at 11.67,66.1 h1 r270; Mechanical 14 "1" at 11.67,64.1 h1 r270; Mechanical 14 "F" at 0.72,79.95 h1 r270; Mechanical 14 "E" at -0.68,79.95 h1 r270; Mechanical 14 "D" at -2.08,79.95 h1 r270; Mechanical 14 "C" at -3.48,79.95 h1 r270; Mechanical 14 "B" at -4.88,79.95 h1 r270; Mechanical 14 "A" at -6.28,79.95 h1 r270
J5: Drill Drawing "PRESS-FIT TECHNOLOGY" at -6.545,81.002 h1; Drill Drawing "Diam. 0.5mm +/-0.05" at -6.545,79.502 h1; Top Overlay "6" at 12.67,89.481 h1 r90; Top Overlay "5" at 12.67,87.433 h1 r90; Top Overlay "4" at 12.67,85.386 h1 r90; Top Overlay "3" at 12.67,83.433 h1 r90; Top Overlay "2" at 12.67,81.433 h1 r90; Top Overlay "1" at 12.67,79.862 h1 r90; Mechanical 14 "L" at 9.12,91.95 h1 r270; Mechanical 14 "6" at 11.67,90.1 h1 r270; Mechanical 14 "K" at 7.72,91.95 h1 r270; Mechanical 14 "J" at 6.32,91.95 h1 r270; Mechanical 14 "5" at 11.67,88.1 h1 r270; Mechanical 14 "4" at 11.67,86.1 h1 r270; Mechanical 14 "I" at 4.92,91.7 h1 r270; Mechanical 14 "H" at 3.52,91.95 h1 r270; Mechanical 14 "G" at 2.12,91.95 h1 r270; Mechanical 14 "3" at 11.67,84.1 h1 r270; Mechanical 14 "2" at 11.67,82.1 h1 r270; Mechanical 14 "1" at 11.67,80.1 h1 r270; Mechanical 14 "F" at 0.72,91.95 h1 r270; Mechanical 14 "E" at -0.68,91.95 h1 r270; Mechanical 14 "D" at -2.08,91.95 h1 r270; Mechanical 14 "C" at -3.48,91.95 h1 r270; Mechanical 14 "B" at -4.88,91.95 h1 r270; Mechanical 14 "A" at -6.28,91.95 h1 r270
J6: Drill Drawing "PRESS-FIT TECHNOLOGY" at -6.645,94.002 h1; Drill Drawing "Diam. 0.5mm +/-0.05" at -6.645,92.502 h1; Top Overlay "L" at 10.12,108.379 h1 r90; Top Overlay "8" at 12.67,106.433 h1 r90; Top Overlay "7" at 12.67,104.433 h1 r90; Top Overlay "K" at 8.72,108.283 h1 r90; Top Overlay "J" at 7.32,108.474 h1 r90; Top Overlay "6" at 12.67,102.481 h1 r90; Top Overlay "5" at 12.67,100.433 h1 r90; Top Overlay "I" at 5.92,108.7 h1 r90; Top Overlay "H" at 4.52,108.283 h1 r90; Top Overlay "G" at 3.12,108.236 h1 r90; Top Overlay "4" at 12.67,98.386 h1 r90; Top Overlay "3" at 12.67,96.433 h1 r90; Top Overlay "2" at 12.67,94.433 h1 r90; Top Overlay "1" at 12.67,92.862 h1 r90; Top Overlay "F" at 1.72,108.331 h1 r90; Top Overlay "E" at 0.32,108.331 h1 r90; Top Overlay "D" at -1.08,108.283 h1 r90; Top Overlay "C" at -2.48,108.236 h1 r90; Top Overlay "B" at -3.88,108.283 h1 r90; Top Overlay "A" at -5.28,108.188 h1 r90; Mechanical 14 "L" at 9.12,108.95 h1 r270; Mechanical 14 "8" at 11.67,107.1 h1 r270; Mechanical 14 "7" at 11.67,105.1 h1 r270; Mechanical 14 "K" at 7.72,108.95 h1 r270; Mechanical 14 "J" at 6.32,108.95 h1 r270; Mechanical 14 "6" at 11.67,103.1 h1 r270; Mechanical 14 "5" at 11.67,101.1 h1 r270; Mechanical 14 "I" at 4.92,108.7 h1 r270; Mechanical 14 "H" at 3.52,108.95 h1 r270; Mechanical 14 "G" at 2.12,108.95 h1 r270; Mechanical 14 "4" at 11.67,99.1 h1 r270; Mechanical 14 "3" at 11.67,97.1 h1 r270; Mechanical 14 "2" at 11.67,95.1 h1 r270; Mechanical 14 "1" at 11.67,93.1 h1 r270; Mechanical 14 "F" at 0.72,108.95 h1 r270; Mechanical 14 "E" at -0.68,108.95 h1 r270; Mechanical 14 "D" at -2.08,108.95 h1 r270; Mechanical 14 "C" at -3.48,108.95 h1 r270; Mechanical 14 "B" at -4.88,108.95 h1 r270; Mechanical 14 "A" at -6.28,108.95 h1 r270
J7: Drill Drawing "PRESS-FIT TECHNOLOGY diam. 1mm +0.05 -0.05" at 279.874,54.27 h1 r270; Bottom Overlay "D1" at 278.598,60.755 h1.2; Bottom Overlay "D2" at 278.598,63.295 h1.2; Bottom Overlay "D3" at 278.598,65.835 h1.2; Bottom Overlay "D4" at 278.598,68.375 h1.2; Bottom Overlay "D5" at 278.598,70.815 h1.2; Bottom Overlay "D6" at 278.598,73.455 h1.2; Bottom Overlay "P1" at 293.698,28.115 h1.2; Bottom Overlay "P2" at 293.698,35.865 h1.2; Bottom Overlay "P3" at 293.698,43.615 h1.2; Bottom Overlay "P4" at 293.698,49.865 h1.2; Bottom Overlay "P5" at 293.698,56.115 h1.2; Bottom Overlay "A1" at 293.998,60.665 h1.2; Bottom Overlay "A2" at 293.998,63.165 h1.2; Bottom Overlay "A3" at 293.998,65.665 h1.2; Bottom Overlay "A4" at 293.998,68.415 h1.2; Bottom Overlay "A5" at 293.998,70.915 h1.2; Bottom Overlay "A6" at 293.998,73.415 h1.2; Bottom Overlay "P6" at 293.698,77.865 h1.2; Bottom Overlay "P7" at 293.698,82.865 h1.2; Bottom Overlay "P8" at 293.698,87.865 h1.2; Bottom Overlay "P9" at 293.698,93.115 h1.2; Mechanical 14 "D2" at 278.598,63.295 h1.2; Mechanical 14 "D1" at 278.598,60.755 h1.2; Mechanical 14 "D3" at 278.598,65.835 h1.2; Mechanical 14 "D4" at 278.598,68.375 h1.2; Mechanical 14 "D5" at 278.598,70.815 h1.2; Mechanical 14 "D6" at 278.598,73.455 h1.2; Mechanical 14 "P1" at 293.698,28.115 h1.2; Mechanical 14 "P2" at 293.698,35.865 h1.2; Mechanical 14 "P3" at 293.698,43.615 h1.2; Mechanical 14 "P4" at 293.698,49.865 h1.2; Mechanical 14 "P5" at 293.698,56.115 h1.2; Mechanical 14 "A1" at 293.998,60.665 h1.2; Mechanical 14 "A2" at 293.998,63.165 h1.2; Mechanical 14 "A3" at 293.998,65.665 h1.2; Mechanical 14 "A4" at 293.998,68.415 h1.2; Mechanical 14 "A5" at 293.998,70.915 h1.2; Mechanical 14 "A6" at 293.998,73.415 h1.2; Mechanical 14 "P6" at 293.698,77.865 h1.2; Mechanical 14 "P7" at 293.698,82.865 h1.2; Mechanical 14 "P8" at 293.698,87.865 h1.2; Mechanical 14 "P9" at 293.698,93.115 h1.2
J8: Drill Drawing "PRESS-FIT TECHNOLOGY diam. 1mm +0.05 -0.05" at 263.564,68.25 h1 r270; Top Overlay "P1" at 275.77,93.15 h1.2; Top Overlay "P2" at 275.77,85.15 h1.2; Top Overlay "P3" at 275.67,77.75 h1.2; Top Overlay "P4" at 275.77,71.45 h1.2; Top Overlay "P5" at 275.67,65.25 h1.2; Top Overlay "A1" at 275.67,60.55 h1.2; Top Overlay "A2" at 275.57,58.15 h1.2; Top Overlay "A3" at 275.57,55.55 h1.2; Top Overlay "A4" at 275.57,52.85 h1.2; Top Overlay "A5" at 275.57,50.45 h1.2; Top Overlay "A6" at 275.57,48.05 h1.2; Top Overlay "P6" at 275.57,43.15 h1.2; Top Overlay "P7" at 275.57,38.55 h1.2; Top Overlay "P8" at 275.57,33.45 h1.2; Top Overlay "P9" at 275.67,28.15 h1.2; Top Overlay "D1" at 260.47,60.55 h1.2; Top Overlay "D2" at 260.47,58.15 h1.2; Top Overlay "D3" at 260.47,55.65 h1.2; Top Overlay "D4" at 260.47,53.15 h1.2; Top Overlay "D5" at 260.47,50.65 h1.2; Top Overlay "D6" at 260.47,48.05 h1.2; Mechanical 14 "P1" at 277.388,94.405 h1.2 r180; Mechanical 14 "P2" at 277.388,86.655 h1.2 r180; Mechanical 14 "P3" at 277.388,78.905 h1.2 r180; Mechanical 14 "P4" at 277.388,72.655 h1.2 r180; Mechanical 14 "P5" at 277.388,66.405 h1.2 r180; Mechanical 14 "A1" at 277.688,61.855 h1.2 r180; Mechanical 14 "A2" at 277.688,59.355 h1.2 r180; Mechanical 14 "A3" at 277.688,56.855 h1.2 r180; Mechanical 14 "A4" at 277.688,54.105 h1.2 r180; Mechanical 14 "A5" at 277.688,51.605 h1.2 r180; Mechanical 14 "A6" at 277.688,49.105 h1.2 r180; Mechanical 14 "P6" at 277.388,44.655 h1.2 r180; Mechanical 14 "P7" at 277.388,39.655 h1.2 r180; Mechanical 14 "P8" at 277.388,34.655 h1.2 r180; Mechanical 14 "P9" at 277.388,29.405 h1.2 r180; Mechanical 14 "D1" at 262.288,61.765 h1.2 r180; Mechanical 14 "D2" at 262.288,59.225 h1.2 r180; Mechanical 14 "D3" at 262.288,56.685 h1.2 r180; Mechanical 14 "D4" at 262.288,54.145 h1.2 r180; Mechanical 14 "D6" at 262.288,49.065 h1.2 r180; Mechanical 14 "D5" at 262.288,51.705 h1.2 r180
J11_Slot1: Drill Drawing "Diam. 0.5mm +/-0.05" at 23.95,11.75 h1; Drill Drawing "PRESS-FIT TECHNOLOGY" at 23.95,13.25 h1; Top Overlay "A" at 25.2,27.188 h1 r90; Top Overlay "B" at 26.6,27.283 h1 r90; Top Overlay "C" at 28,27.236 h1 r90; Top Overlay "D" at 29.4,27.283 h1 r90; Top Overlay "E" at 30.8,27.331 h1 r90; Top Overlay "F" at 32.2,27.331 h1 r90; Top Overlay "1" at 43.15,15.862 h1 r90; Top Overlay "2" at 43.15,17.433 h1 r90; Top Overlay "3" at 43.15,19.433 h1 r90; Top Overlay "G" at 33.6,27.236 h1 r90; Top Overlay "H" at 35,27.283 h1 r90; Top Overlay "I" at 36.4,27.7 h1 r90; Top Overlay "4" at 43.15,21.386 h1 r90; Top Overlay "5" at 43.15,23.433 h1 r90; Top Overlay "J" at 37.8,27.474 h1 r90; Top Overlay "K" at 39.2,27.283 h1 r90; Top Overlay "6" at 43.15,25.481 h1 r90; Top Overlay "L" at 40.6,27.379 h1 r90; Mechanical 14 "A" at 24.2,27.95 h1 r270; Mechanical 14 "B" at 25.6,27.95 h1 r270; Mechanical 14 "C" at 27,27.95 h1 r270; Mechanical 14 "D" at 28.4,27.95 h1 r270; Mechanical 14 "E" at 29.8,27.95 h1 r270; Mechanical 14 "F" at 31.2,27.95 h1 r270; Mechanical 14 "1" at 42.15,16.1 h1 r270; Mechanical 14 "2" at 42.15,18.1 h1 r270; Mechanical 14 "3" at 42.15,20.1 h1 r270; Mechanical 14 "G" at 32.6,27.95 h1 r270; Mechanical 14 "H" at 34,27.95 h1 r270; Mechanical 14 "I" at 35.4,27.7 h1 r270; Mechanical 14 "4" at 42.15,22.1 h1 r270; Mechanical 14 "5" at 42.15,24.1 h1 r270; Mechanical 14 "J" at 36.8,27.95 h1 r270; Mechanical 14 "K" at 38.2,27.95 h1 r270; Mechanical 14 "6" at 42.15,26.1 h1 r270; Mechanical 14 "L" at 39.6,27.95 h1 r270
J11_Slot2: Drill Drawing "Diam. 0.5mm +/-0.05" at 54.43,11.75 h1; Drill Drawing "PRESS-FIT TECHNOLOGY" at 54.43,13.25 h1; Top Overlay "A" at 55.68,27.188 h1 r90; Top Overlay "B" at 57.08,27.283 h1 r90; Top Overlay "C" at 58.48,27.236 h1 r90; Top Overlay "D" at 59.88,27.283 h1 r90; Top Overlay "E" at 61.28,27.331 h1 r90; Top Overlay "F" at 62.68,27.331 h1 r90; Top Overlay "1" at 73.63,15.862 h1 r90; Top Overlay "2" at 73.63,17.433 h1 r90; Top Overlay "3" at 73.63,19.433 h1 r90; Top Overlay "G" at 64.08,27.236 h1 r90; Top Overlay "H" at 65.48,27.283 h1 r90; Top Overlay "I" at 66.88,27.7 h1 r90; Top Overlay "4" at 73.63,21.386 h1 r90; Top Overlay "5" at 73.63,23.433 h1 r90; Top Overlay "J" at 68.28,27.474 h1 r90; Top Overlay "K" at 69.68,27.283 h1 r90; Top Overlay "6" at 73.63,25.481 h1 r90; Top Overlay "L" at 71.08,27.379 h1 r90; Mechanical 14 "A" at 54.68,27.95 h1 r270; Mechanical 14 "B" at 56.08,27.95 h1 r270; Mechanical 14 "C" at 57.48,27.95 h1 r270; Mechanical 14 "D" at 58.88,27.95 h1 r270; Mechanical 14 "E" at 60.28,27.95 h1 r270; Mechanical 14 "F" at 61.68,27.95 h1 r270; Mechanical 14 "1" at 72.63,16.1 h1 r270; Mechanical 14 "2" at 72.63,18.1 h1 r270; Mechanical 14 "3" at 72.63,20.1 h1 r270; Mechanical 14 "G" at 63.08,27.95 h1 r270; Mechanical 14 "H" at 64.48,27.95 h1 r270; Mechanical 14 "I" at 65.88,27.7 h1 r270; Mechanical 14 "4" at 72.63,22.1 h1 r270; Mechanical 14 "5" at 72.63,24.1 h1 r270; Mechanical 14 "J" at 67.28,27.95 h1 r270; Mechanical 14 "K" at 68.68,27.95 h1 r270; Mechanical 14 "6" at 72.63,26.1 h1 r270; Mechanical 14 "L" at 70.08,27.95 h1 r270
J11_Slot3: Drill Drawing "Diam. 0.5mm +/-0.05" at 84.91,11.75 h1; Drill Drawing "PRESS-FIT TECHNOLOGY" at 84.91,13.25 h1; Top Overlay "A" at 86.16,27.188 h1 r90; Top Overlay "B" at 87.56,27.283 h1 r90; Top Overlay "C" at 88.96,27.236 h1 r90; Top Overlay "D" at 90.36,27.283 h1 r90; Top Overlay "E" at 91.76,27.331 h1 r90; Top Overlay "F" at 93.16,27.331 h1 r90; Top Overlay "1" at 104.11,15.862 h1 r90; Top Overlay "2" at 104.11,17.433 h1 r90; Top Overlay "3" at 104.11,19.433 h1 r90; Top Overlay "G" at 94.56,27.236 h1 r90; Top Overlay "H" at 95.96,27.283 h1 r90; Top Overlay "I" at 97.36,27.7 h1 r90; Top Overlay "4" at 104.11,21.386 h1 r90; Top Overlay "5" at 104.11,23.433 h1 r90; Top Overlay "J" at 98.76,27.474 h1 r90; Top Overlay "K" at 100.16,27.283 h1 r90; Top Overlay "6" at 104.11,25.481 h1 r90; Top Overlay "L" at 101.56,27.379 h1 r90; Mechanical 14 "A" at 85.16,27.95 h1 r270; Mechanical 14 "B" at 86.56,27.95 h1 r270; Mechanical 14 "C" at 87.96,27.95 h1 r270; Mechanical 14 "D" at 89.36,27.95 h1 r270; Mechanical 14 "E" at 90.76,27.95 h1 r270; Mechanical 14 "F" at 92.16,27.95 h1 r270; Mechanical 14 "1" at 103.11,16.1 h1 r270; Mechanical 14 "2" at 103.11,18.1 h1 r270; Mechanical 14 "3" at 103.11,20.1 h1 r270; Mechanical 14 "G" at 93.56,27.95 h1 r270; Mechanical 14 "H" at 94.96,27.95 h1 r270; Mechanical 14 "I" at 96.36,27.7 h1 r270; Mechanical 14 "4" at 103.11,22.1 h1 r270; Mechanical 14 "5" at 103.11,24.1 h1 r270; Mechanical 14 "J" at 97.76,27.95 h1 r270; Mechanical 14 "K" at 99.16,27.95 h1 r270; Mechanical 14 "6" at 103.11,26.1 h1 r270; Mechanical 14 "L" at 100.56,27.95 h1 r270
J11_Slot4: Drill Drawing "Diam. 0.5mm +/-0.05" at 115.39,11.75 h1; Drill Drawing "PRESS-FIT TECHNOLOGY" at 115.39,13.25 h1; Top Overlay "A" at 116.64,27.188 h1 r90; Top Overlay "B" at 118.04,27.283 h1 r90; Top Overlay "C" at 119.44,27.236 h1 r90; Top Overlay "D" at 120.84,27.283 h1 r90; Top Overlay "E" at 122.24,27.331 h1 r90; Top Overlay "F" at 123.64,27.331 h1 r90; Top Overlay "1" at 134.59,15.862 h1 r90; Top Overlay "2" at 134.59,17.433 h1 r90; Top Overlay "3" at 134.59,19.433 h1 r90; Top Overlay "G" at 125.04,27.236 h1 r90; Top Overlay "H" at 126.44,27.283 h1 r90; Top Overlay "I" at 127.84,27.7 h1 r90; Top Overlay "4" at 134.59,21.386 h1 r90; Top Overlay "5" at 134.59,23.433 h1 r90; Top Overlay "J" at 129.24,27.474 h1 r90; Top Overlay "K" at 130.64,27.283 h1 r90; Top Overlay "6" at 134.59,25.481 h1 r90; Top Overlay "L" at 132.04,27.379 h1 r90; Mechanical 14 "A" at 115.64,27.95 h1 r270; Mechanical 14 "B" at 117.04,27.95 h1 r270; Mechanical 14 "C" at 118.44,27.95 h1 r270; Mechanical 14 "D" at 119.84,27.95 h1 r270; Mechanical 14 "E" at 121.24,27.95 h1 r270; Mechanical 14 "F" at 122.64,27.95 h1 r270; Mechanical 14 "1" at 133.59,16.1 h1 r270; Mechanical 14 "2" at 133.59,18.1 h1 r270; Mechanical 14 "3" at 133.59,20.1 h1 r270; Mechanical 14 "G" at 124.04,27.95 h1 r270; Mechanical 14 "H" at 125.44,27.95 h1 r270; Mechanical 14 "I" at 126.84,27.7 h1 r270; Mechanical 14 "4" at 133.59,22.1 h1 r270; Mechanical 14 "5" at 133.59,24.1 h1 r270; Mechanical 14 "J" at 128.24,27.95 h1 r270; Mechanical 14 "K" at 129.64,27.95 h1 r270; Mechanical 14 "6" at 133.59,26.1 h1 r270; Mechanical 14 "L" at 131.04,27.95 h1 r270
J11_Slot5: Drill Drawing "Diam. 0.5mm +/-0.05" at 145.87,11.75 h1; Drill Drawing "PRESS-FIT TECHNOLOGY" at 145.87,13.25 h1; Top Overlay "A" at 147.12,27.188 h1 r90; Top Overlay "B" at 148.52,27.283 h1 r90; Top Overlay "C" at 149.92,27.236 h1 r90; Top Overlay "D" at 151.32,27.283 h1 r90; Top Overlay "E" at 152.72,27.331 h1 r90; Top Overlay "F" at 154.12,27.331 h1 r90; Top Overlay "1" at 165.07,15.862 h1 r90; Top Overlay "2" at 165.07,17.433 h1 r90; Top Overlay "3" at 165.07,19.433 h1 r90; Top Overlay "G" at 155.52,27.236 h1 r90; Top Overlay "H" at 156.92,27.283 h1 r90; Top Overlay "I" at 158.32,27.7 h1 r90; Top Overlay "4" at 165.07,21.386 h1 r90; Top Overlay "5" at 165.07,23.433 h1 r90; Top Overlay "J" at 159.72,27.474 h1 r90; Top Overlay "K" at 161.12,27.283 h1 r90; Top Overlay "6" at 165.07,25.481 h1 r90; Top Overlay "L" at 162.52,27.379 h1 r90; Mechanical 14 "A" at 146.12,27.95 h1 r270; Mechanical 14 "B" at 147.52,27.95 h1 r270; Mechanical 14 "C" at 148.92,27.95 h1 r270; Mechanical 14 "D" at 150.32,27.95 h1 r270; Mechanical 14 "E" at 151.72,27.95 h1 r270; Mechanical 14 "F" at 153.12,27.95 h1 r270; Mechanical 14 "1" at 164.07,16.1 h1 r270; Mechanical 14 "2" at 164.07,18.1 h1 r270; Mechanical 14 "3" at 164.07,20.1 h1 r270; Mechanical 14 "G" at 154.52,27.95 h1 r270; Mechanical 14 "H" at 155.92,27.95 h1 r270; Mechanical 14 "I" at 157.32,27.7 h1 r270; Mechanical 14 "4" at 164.07,22.1 h1 r270; Mechanical 14 "5" at 164.07,24.1 h1 r270; Mechanical 14 "J" at 158.72,27.95 h1 r270; Mechanical 14 "K" at 160.12,27.95 h1 r270; Mechanical 14 "6" at 164.07,26.1 h1 r270; Mechanical 14 "L" at 161.52,27.95 h1 r270
J11_Slot6: Drill Drawing "Diam. 0.5mm +/-0.05" at 176.35,11.75 h1; Drill Drawing "PRESS-FIT TECHNOLOGY" at 176.35,13.25 h1; Top Overlay "A" at 177.6,27.188 h1 r90; Top Overlay "B" at 179,27.283 h1 r90; Top Overlay "C" at 180.4,27.236 h1 r90; Top Overlay "D" at 181.8,27.283 h1 r90; Top Overlay "E" at 183.2,27.331 h1 r90; Top Overlay "F" at 184.6,27.331 h1 r90; Top Overlay "1" at 195.55,15.862 h1 r90; Top Overlay "2" at 195.55,17.433 h1 r90; Top Overlay "3" at 195.55,19.433 h1 r90; Top Overlay "G" at 186,27.236 h1 r90; Top Overlay "H" at 187.4,27.283 h1 r90; Top Overlay "I" at 188.8,27.7 h1 r90; Top Overlay "4" at 195.55,21.386 h1 r90; Top Overlay "5" at 195.55,23.433 h1 r90; Top Overlay "J" at 190.2,27.474 h1 r90; Top Overlay "K" at 191.6,27.283 h1 r90; Top Overlay "6" at 195.55,25.481 h1 r90; Top Overlay "L" at 193,27.379 h1 r90; Mechanical 14 "A" at 176.6,27.95 h1 r270; Mechanical 14 "B" at 178,27.95 h1 r270; Mechanical 14 "C" at 179.4,27.95 h1 r270; Mechanical 14 "D" at 180.8,27.95 h1 r270; Mechanical 14 "E" at 182.2,27.95 h1 r270; Mechanical 14 "F" at 183.6,27.95 h1 r270; Mechanical 14 "1" at 194.55,16.1 h1 r270; Mechanical 14 "2" at 194.55,18.1 h1 r270; Mechanical 14 "3" at 194.55,20.1 h1 r270; Mechanical 14 "G" at 185,27.95 h1 r270; Mechanical 14 "H" at 186.4,27.95 h1 r270; Mechanical 14 "I" at 187.8,27.7 h1 r270; Mechanical 14 "4" at 194.55,22.1 h1 r270; Mechanical 14 "5" at 194.55,24.1 h1 r270; Mechanical 14 "J" at 189.2,27.95 h1 r270; Mechanical 14 "K" at 190.6,27.95 h1 r270; Mechanical 14 "6" at 194.55,26.1 h1 r270; Mechanical 14 "L" at 192,27.95 h1 r270